# KiCad board panel_rp2354_20x20.kicad_pcb (continued)
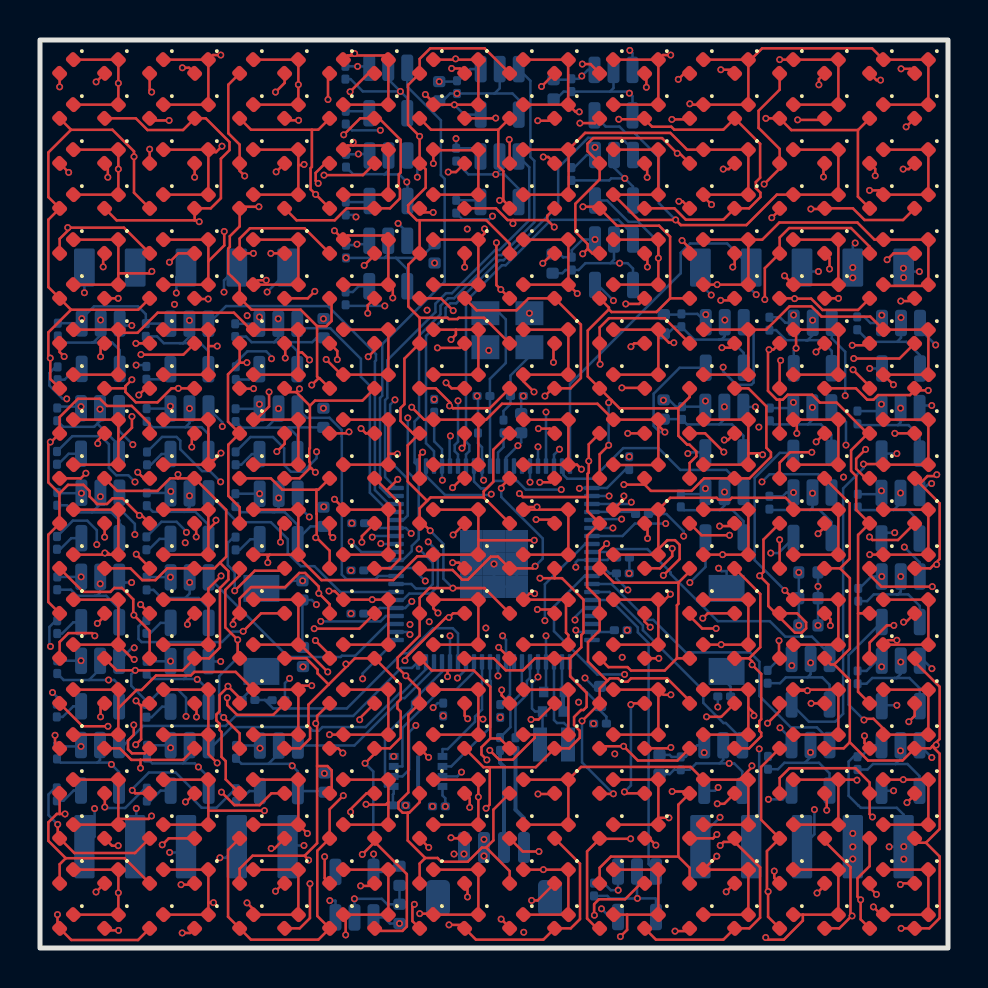
[diagram p0: board, top side]
## Routing (per net, layer and track width the routed paths; a pad name or vN(x,y) marks a point on that pad's centre or on a via; arc(x,y) is an arc through that point) (continued)
GND: length 260
  Bottom w0.127: 43.98,20.48 43.98,21.33 43.4,21.9 42.68,21.9 ; C7.2 27.67,13.08 v1(27.25,13.5) ; U42.4 30.8,2.45 30.77,2.48 v1(29.87,2.48) ; U41.4 35.11,8.83 34.71,9.23 v1(34.46,9.23) 33.98,9.23 ; 38.37,13.53 37.29,13.53 37,13.24 C54.2 ; 38.37,13.53 38.53,13.69 v1(38.53,14.26) U38.2 ; 38.37,13.53 39.11,13.53 39.48,13.16 U38.4 ; 11.42,9.21 11.94,9.73 U3.2 ; 11.42,9.21 12.51,9.21 v1(12.61,9.11) 12.89,8.83 U3.4 14.17,7.85 C66.2 ; 11.42,9.21 10.08,9.21 9.8,9.48 ; U4.2 7.48,9.57 7.14,9.23 ; U22.2 22.98,38.87 v1(22.79,38.68) ; v1(29.24,38.48) 28.56,38.48 28.46,38.38 C41.2 ; v1(29.24,38.48) 28.7,39.02 U25.2 ; v1(29.24,38.48) 29.65,38.07 U25.4 ; C29.2 10.08,26.02 11.33,26.02 ; v1(40.64,5.06) v1(40.64,4.45) 40.64,4.31 ; v1(40.64,5.06) J2.4 ; v1(40.64,5.06) J2.4 ; 6.99,30.24 6.19,30.24 5.85,30.58 C36.2 ; 6.99,30.24 7.15,30.24 ; 6.99,30.24 7.15,30.24 ; 11.93,26.91 v1(11.93,26.97) 11.93,26.91 ; 11.93,26.91 11.93,26.62 11.33,26.02 ; 7.15,30.24 7.47,30.56 U20.2 v1(7.47,31.38) ; 7.15,30.24 8.02,30.24 8.42,29.84 U20.4 ; 33.95,30.42 34.07,30.42 ; 33.95,30.42 34.07,30.42 ; 33.95,30.42 32.72,30.42 32.07,31.06 31.73,31.06 31.38,30.71 C72.2 ; 34.07,30.42 34.52,30.42 35.19,29.75 U27.4 ; 34.07,30.42 34.24,30.59 U27.2 34.24,31.4 v1(34.24,31.4) ; 23.92,37.3 23.92,37.98 23.22,38.68 v1(22.79,38.68) ; 17.23,34.51 17.8,34.51 ; 17.23,34.51 17.41,34.69 U18.2 ; 17.23,34.51 v1(15.3,34.51) ; 17.8,34.51 18.36,33.94 U18.4 ; 17.8,34.51 19.03,34.51 C60.2 ; U37.4 43.99,12.98 43.47,13.5 42.83,13.5 ; C21.2 1.04,9.27 2.87,9.27 ; 22.73,42.73 v1(20.85,42.73) 20.51,42.73 20.14,42.36 C69.2 ; 22.73,42.73 22.98,42.98 22.98,43.95 ; 22.73,42.73 23.62,42.73 23.94,42.42 U23.4 ; 28.5,42.82 C40.2 26.18,42.82 25.81,42.46 C70.2 ; 28.5,42.82 29.39,42.82 v1(29.47,42.74) 29.62,42.59 U24.4 ; 28.5,42.82 28.67,43 U24.2 ; v1(43.04,14.3) 43.04,13.71 42.83,13.5 ; v1(43.04,14.3) U37.2 v1(43.04,14.3) ; C45.2 36.67,26.18 38.39,26.18 ; 34.22,27.05 34.22,26.44 33.96,26.18 ; 34.22,27.05 v1(34.22,27.06) 34.22,27.05 ; U6.2 7.48,13.74 7.19,13.45 ; 36.47,30.89 36.81,30.89 37.31,30.39 38.3,30.39 ; 17.42,39.62 17.42,38.89 17.22,38.68 ; U29.4 39.57,25.66 39.05,26.18 38.39,26.18 ; 42.83,13.5 42.73,13.5 ; 42.83,13.5 42.73,13.5 ; C38.2 20.81,39.29 21.42,38.68 v1(22.79,38.68) ; C56.2 36.9,8.94 37.22,9.26 38.24,9.26 ; 33.96,26.18 32.35,26.18 C46.2 32.09,26.44 C71.2 ; 33.96,26.18 34.6,26.18 35.17,25.61 U30.4 ; C62.2 v1(13.15,14.06) ; Y1.4 22.28,30.04 v1(22.44,29.88) ; 12.42,30.29 13.61,30.29 13.83,30.51 C74.2 ; 12.42,30.29 12.87,29.84 12.87,28.94 ; 12.42,30.29 11.7,30.29 ; v1(43.03,9.86) 43.03,9.45 42.77,9.2 ; v1(43.03,9.86) U39.2 v1(43.03,9.86) ; v1(40.76,35.25) 40.64,35.13 v1(40.64,34.02) v1(40.64,33.51) ; 38.5,21.9 38.62,22.03 v1(38.62,22.74) U32.2 ; 38.5,21.9 38.98,21.9 39.58,21.31 U32.4 ; 38.5,21.9 36.52,21.9 C48.2 ; 3.1,22.39 3.1,22.73 ; 3.1,22.39 3.02,22.39 ; 3.1,22.39 3.1,22.32 ; C25.2 1.55,17.92 1.85,17.61 2.75,17.61 ; U2.81 U2.81 21.57,19.77 ; 38.3,30.39 38.38,30.39 ; 38.3,30.39 38.38,30.39 ; 38.38,30.39 39.05,30.39 39.59,29.85 U26.4 ; 38.38,30.39 38.64,30.65 U26.2 38.64,31.38 v1(38.63,31.39) ; 11.33,26.02 12.44,26.02 ; 12.44,26.02 12.45,26.03 C75.2 ; 12.44,26.02 12.88,25.59 12.88,24.7 ; C50.2 40.94,26.14 42.89,26.14 ; U5.2 3,9.4 2.87,9.27 ; 3.97,20.94 U12.4 ; 3.97,20.94 4.05,20.94 ; 3.97,20.94 3.97,21.38 3.57,21.78 2.6,21.78 ; 33.98,9.23 34.16,9.41 U41.2 ; 33.98,9.23 32.81,9.23 32.49,8.91 C57.2 31.7,8.91 31.48,8.7 30.98,8.7 ; 11.7,30.29 10.58,30.29 10.3,30.57 C35.2 ; 11.7,30.29 11.92,30.51 U19.2 11.92,31.46 v1(11.91,31.46) ; 40.64,5.85 v1(40.64,5.73) J2.4 ; U42.2 29.85,2.5 v1(29.87,2.48) ; U39.4 43.98,8.59 43.37,9.2 42.77,9.2 ; 2.45,13.4 v1(3.43,13.4) 3.71,13.4 3.96,13.16 U7.4 ; 2.45,13.4 1.19,13.4 C23.2 ; 2.45,13.4 3.01,13.95 U7.2 ; 7.26,17.5 7.48,17.72 v1(7.48,18.28) U8.2 ; 7.26,17.5 7.94,17.5 8.43,17.01 U8.4 ; 7.26,17.5 6.08,17.5 5.68,17.91 5.33,17.91 ; 2.6,30.27 1.22,30.27 C32.2 ; 2.6,30.27 2.66,30.27 ; 2.6,30.27 2.66,30.27 ; v1(38.9,16.13) C61.2 v1(38.9,18.08) C76.2 ; 42.68,21.9 41.04,21.9 C52.2 ; 42.68,21.9 43.03,22.25 v1(43.03,22.75) ; C64.2 13.53,21.08 U10.4 12.89,21.14 12.24,21.79 11.72,21.79 ; 7.14,9.23 5.62,9.23 C20.2 ; 7.14,9.23 7.74,9.23 v1(7.92,9.05) 8.43,8.54 U4.4 ; 42.89,26.14 43.43,26.14 43.98,25.59 U34.4 ; 42.89,26.14 43.03,26.28 v1(43.03,27) ; U11.4 8.43,21.16 7.77,21.81 7.24,21.81 ; C51.2 41.35,17.34 41.69,17.68 42.82,17.68 ; 2.66,30.27 3.61,30.27 3.98,29.89 3.98,28.95 ; 2.66,30.27 3.04,30.64 U16.2 3.04,31.4 v1(3.03,31.4) ; 3.02,22.39 v1(3.02,22.57) U12.2 ; 3.02,22.39 3.02,22.2 2.6,21.78 ; C4.2 26.1,12.92 U2.62 ; 7.19,13.45 5.58,13.45 C22.2 ; 7.19,13.45 7.84,13.45 v1(7.86,13.43) 7.89,13.43 8.43,12.89 U6.4 ; U43.2 15.73,2.45 v1(15.72,2.46) 17.09,2.46 17.37,2.19 C67.2 C68.2 ; U9.4 3.96,16.96 3.31,17.61 2.85,17.61 ; 2.75,17.61 2.85,17.61 ; 2.75,17.61 2.85,17.61 ; 2.6,21.78 1.71,21.78 1.36,22.14 C28.2 ; 38.39,26.18 38.62,26.41 v1(38.62,27.03) ; C33.2 15.66,38.69 17.21,38.69 17.22,38.68 ; v1(29.87,2.48) 29.72,2.48 29.72,2.48 28.49,2.48 28.37,2.61 C58.2 ; U11.2 v1(7.48,22.61) 7.48,22.05 7.24,21.81 ; U2.81 21.57,19.77 ; 21.57,19.77 22.7,19.77 ; SW1.1 12.24,17.98 12.62,18.36 C59.2 v1(13.13,18.36) ; U21.4 18.36,42.49 v1(18.02,42.83) ; 17.22,38.68 17.96,38.68 v1(18.34,38.3) 18.38,38.27 U17.4 ; U33.4 35.17,21.34 34.63,21.89 33.99,21.89 ; U15.2 v1(3,26.94) 3,26.35 2.87,26.22 ; U40.2 v1(38.53,9.78) 38.53,9.55 38.24,9.26 ; U15.4 3.95,25.13 2.87,26.22 ; C73.2 26.12,33.74 26.28,33.9 C44.2 26.93,33.9 27.27,34.24 28.52,34.24 ; 7.17,21.81 5.65,21.81 C27.2 ; 7.17,21.81 7.24,21.81 ; 7.17,21.81 7.24,21.81 ; U14.4 8.43,25.7 8.08,26.04 7.27,26.04 ; U28.4 29.65,33.97 29.38,34.24 v1(28.98,34.24) 28.52,34.24 ; 2.85,17.61 3.01,17.77 v1(3.01,18.21) U9.2 ; 40.88,8.92 41.38,8.92 41.65,9.2 42.77,9.2 ; C47.2 41.47,30.31 42.78,30.31 ; 33.99,21.89 32.2,21.89 C49.2 ; 33.99,21.89 34.23,22.12 v1(34.23,22.8) ; C26.2 10.05,21.79 11.72,21.79 ; U40.4 39.48,8.73 38.95,9.26 38.24,9.26 ; 2.87,9.27 3.48,9.27 v1(3.57,9.18) 3.95,8.8 U5.4 ; 2.87,26.22 2.71,26.06 1.16,26.06 C31.2 ; 7.27,26.04 5.62,26.04 C30.2 ; 7.27,26.04 7.48,26.25 v1(7.48,26.98) ; U21.2 17.41,43.44 v1(18.02,42.83) ; 42.82,17.68 42.9,17.68 ; 42.82,17.68 42.9,17.68 ; 42.9,17.68 43.41,17.68 43.99,17.1 U35.4 ; 42.9,17.68 43.04,17.82 v1(43.04,18.58) ; C37.2 15.53,43.45 16.14,42.83 v1(18.02,42.83) ; 4.05,20.94 4.05,21.17 ; 4.05,20.94 4.05,20.45 ; U2.81 U2.81 U2.81 U2.81 v1(22.7,19.2) 22.7,19.77 ; U28.2 28.7,34.42 28.52,34.24 ; C15.2 29.47,18.74 v1(29.46,18.73) ; 22.7,19.77 U2.81 ; 42.73,13.5 41.61,13.5 41.33,13.22 C53.2 ; 11.72,21.79 11.94,22.01 v1(11.94,22.5) U10.2 ; v1(21.86,27.6) 21.9,27.56 C13.2 ; v1(43.05,31.52) U31.2 43.05,30.51 42.85,30.31 43.32,30.31 44,29.63 44,28.98 ; C8.2 24.06,27.5 v1(24.17,27.6) ; R2.2 v1(33.89,12.05) ; J1.1 v1(21.2,4.7) v1(20.7,4.7)
  Bottom w0.2: 26.15,12.53 26.15,11.88
  vias: v1(15.55,18.88) v1(15.55,16.72) v1(15.59,21.24) v1(17.69,9.58) v1(19.62,7.08) v1(19.71,27.43) v1(20.16,11.61) v1(23.01,11.53) v1(24.47,31.74) v1(26.93,12.29) v1(29.36,15.89) v1(29.46,24.56)
/drivers/COL_00: length 1.4
  Bottom w0.127: U3.5 10.47,7.85 10.47,7.85 9.95,7.33 R9.1
/drivers/COL_01: length 1.4
  Bottom w0.127: U4.5 6.03,7.87 5.51,7.35 R10.1
/drivers/COL_02: length 1.4
  Bottom w0.127: U5.5 1.69,7.88 1.18,7.37 R11.1
/drivers/COL_03: length 1.4
  Bottom w0.127: R12.1 5.58,11.54 6.11,12.07 U6.5
/drivers/COL_04: length 1.4
  Bottom w0.127: R13.1 1.14,11.56 1.67,12.09 U7.5
/drivers/COL_05: length 1.4
  Bottom w0.127: R14.1 5.51,15.73 6.03,16.26 U8.5
/drivers/COL_06: length 1.4
  Bottom w0.127: U9.5 1.67,16.28 1.11,15.73 R15.1
/drivers/COL_07: length 1.6
  Bottom w0.127: 10.76,20.55 10.86,20.44 ; 10.86,20.44 10.52,20.44 9.98,19.91 9.78,19.91 ; 10.86,20.44 U10.5
/drivers/COL_08: length 1.4
  Bottom w0.127: R17.1 5.44,19.92 5.98,20.46 U11.5
/drivers/COL_09: length 1.4
  Bottom w0.127: R18.1 1.01,19.94 1.56,20.49 U12.5
/drivers/COL_10: length 1.4
  Bottom w0.127: R19.1 10.07,24.17 10.6,24.7 10.98,24.7
/drivers/COL_11: length 1.4
  Bottom w0.127: U14.5 6.08,24.7 5.54,24.16 R20.1
/drivers/COL_12: length 1.4
  Bottom w0.127: U15.5 1.43,24.71 0.91,24.19 0.85,24.19
/drivers/COL_13: length 1.4
  Bottom w0.127: U16.5 1.77,28.95 1.23,28.42 R22.1
/drivers/COL_14: length 1.2
  Bottom w0.127: R23.1 16.42,37.3 16.48,37.35
/drivers/COL_15: length 1.3
  Bottom w0.127: R24.1 15.64,32.8 15.93,33.09 U18.5
/drivers/COL_16: length 1.4
  Bottom w0.127: U19.5 10.45,28.42 9.79,28.42
/drivers/COL_17: length 1.4
  Bottom w0.127: U20.5 6.02,28.44 R26.1
/drivers/COL_18: length 1.2
  Bottom w0.127: R27.1 16.36,41.84 U21.5
/drivers/COL_19: length 1.3
  Bottom w0.127: R28.1 21.94,37.39 U22.5
/drivers/COL_MCU_00: length 8.7
  Bottom w0.127: U2.78 19.7,13.96 18.24,12.49 18.09,12.49 15.72,10.12 U3.3
/drivers/COL_MCU_01: length 13
  Bottom w0.127: U4.3 8.68,10.14 9.58,11.05 13.45,11.05 13.64,10.86 13.94,10.86 14.12,11.05 16.28,11.05 17.98,12.75 18.1,12.75 19.3,13.94 U2.79
/drivers/COL_MCU_02: length 16.7
  Bottom w0.127: U2.80 18.6,14 18.06,14 15.66,11.6 9.78,11.6 9.28,11.1 5.16,11.1 4.2,10.15 U5.3
/drivers/COL_MCU_03: length 10.7
  In1.Cu w0.127: v1(16.13,13.46) 16.11,13.44 14.24,13.44 14.17,13.5 13.13,13.5 12.3,14.33 v1(9.03,14.33)
  Bottom w0.127: v1(16.13,13.46) 16.13,13.73 U2.1 ; U6.3 8.44,14.33 v1(9.03,14.33)
/drivers/COL_MCU_04: length 15.8
  In1.Cu w0.127: v1(18.5,15.67) 17.83,15.01 v1(4.71,15.01)
  Bottom w0.127: U7.3 4.6,15.01 v1(4.71,15.01) ; v1(18.5,15.67) 18.37,15.8 U2.2
/drivers/COL_MCU_05: length 11.7
  Bottom w0.127: U8.3 12.42,14.55 15.03,14.55 15.1,14.61 15.76,14.61 17.35,16.2 U2.3
/drivers/COL_MCU_06: length 14.9
  In1.Cu w0.127: v1(14.04,16.33) 13.82,16.55 6.3,16.55 v1(4.58,18.27)
  Bottom w0.127: U9.3 4.25,18.27 v1(4.58,18.27) ; U2.4 17.3,16.6 17.03,16.33 14.04,16.33 v1(14.04,16.33)
/drivers/COL_MCU_07: length 13.9
  In1.Cu w0.127: v1(19.41,20.31) 19.52,20.31 19.9,20.68 19.9,20.99 19.29,21.61 13.52,21.61 v1(13.47,21.55)
  Bottom w0.127: U2.6 18.14,17.4 18.46,17.72 19.53,17.72 19.89,18.08 19.89,19.83 v1(19.41,20.31) ; v1(13.47,21.55) 12.89,22.13 U10.3
/drivers/COL_MCU_08: length 11.8
  Bottom w0.127: U2.7 15.01,17.8 13.72,19.09 13.04,19.09 12.39,19.74 12.39,20.45 11.54,21.29 9.87,21.29 U11.3
/drivers/COL_MCU_09: length 21.2
  In1.Cu w0.127: v1(4.74,20.67) 6.34,20.67 7.11,19.9 12.32,19.9 12.57,19.64 18.65,19.64 v1(18.96,19.95)
  Bottom w0.127: v1(4.74,20.67) 4.74,21.21 3.97,21.98 U12.3 ; v1(18.96,19.95) 19.64,19.27 19.64,18.19 19.42,17.98 18.79,17.98 18.57,18.2 U2.8
/drivers/COL_MCU_10: length 12.8
  Bottom w0.127: U2.9 16.93,18.6 16.77,18.44 15.32,18.44 15.09,18.67 15.09,25.59 15.08,25.59 15.08,25.9 14.47,26.51 13.34,26.51 U13.3
/drivers/COL_MCU_11: length 18.6
  In1.Cu w0.127: v1(9.12,26.08) 9.35,26.31 15.51,26.31 15.7,26.5 v1(18.39,26.5)
  Bottom w0.127: U14.3 9.12,26.28 v1(9.12,26.08) ; U2.11 18.14,19.4 18.59,19.85 18.59,20.1 18.94,20.45 18.94,23.26 18.39,23.81 v1(18.39,26.5)
/drivers/COL_MCU_12: length 19.4
  In1.Cu w0.127: v1(15.56,20.31) 15.4,20.15 13.55,20.15 13,20.69 11.72,20.69 11.21,20.18 7.34,20.18 v1(7.26,20.26)
  In2.Cu w0.127: v1(7.26,20.26) 5.64,21.88 5.64,24.17 v1(4.64,25.17)
  Bottom w0.127: U15.3 3.95,25.86 v1(4.64,25.17) ; U2.12 16.07,19.8 v1(15.56,20.31)
/drivers/COL_MCU_13: length 29.3
  In1.Cu w0.127: v1(4.59,31.13) 4.74,30.97 17.99,30.97 18.16,31.14 18.61,31.14 v1(19.35,31.89)
  In2.Cu w0.127: v1(17.04,20.22) 17.04,23.21 18.46,24.63 18.46,25.62 19.34,26.5 19.34,31.87 v1(19.35,31.89)
  Bottom w0.127: U2.13 17.06,20.2 v1(17.04,20.22) ; v1(4.59,31.13) 4.09,31.13 3.98,31.23
/drivers/COL_MCU_14: length 21.5
  In2.Cu w0.127: v1(18.87,38.54) 18.95,38.46 18.95,26.55 16.61,24.21 v1(16.61,20.54)
  Bottom w0.127: v1(18.87,38.54) 18.87,39.13 18.38,39.62 ; v1(16.61,20.54) 16.67,20.6 U2.14
/drivers/COL_MCU_15: length 17
  In2.Cu w0.127: v1(17.75,27.41) 18,27.66 18,36.13 v1(17.9,36.23)
  Bottom w0.127: U18.3 18.36,35.77 v1(17.9,36.23) ; U2.16 18.16,21.4 18.39,21.62 18.39,23.45 17.51,24.33 17.51,27.17 v1(17.75,27.41)
/drivers/COL_MCU_16: length 12.5
  Bottom w0.127: 12.87,31.22 13.09,30.99 14.51,30.99 16.05,29.46 16.05,28.56 16.49,28.11 16.49,22.76 17.46,21.8 U2.17
/drivers/COL_MCU_17: length 17.9
  Bottom w0.127: U20.3 9.3,32.1 14.39,32.1 16.8,29.69 16.8,29.38 16.75,29.33 16.75,22.89 17.44,22.2 U2.18
/drivers/COL_MCU_18: length 24.1
  Bottom w0.127: U21.3 18.36,43.06 20.04,41.38 20.04,38.65 20.23,38.46 20.23,33.31 17.11,30.19 17.11,27.61 17,27.5 17,23.03 17.44,22.6 U2.19
/drivers/COL_MCU_19: length 20.3
  Bottom w0.127: U2.20 17.25,23.55 17.25,27.4 17.37,27.51 17.37,29.39 19.77,31.79 19.77,32.21 20.3,32.74 20.6,32.74 22.76,34.9 22.97,34.9 24.46,36.39 24.46,39.04 23.92,39.58
/drivers/ROW_00: length 69.6
  Top w0.127: v1(36.98,44.42) D321.1 D341.1 D381.1 D361.1 ; D281.1 D301.1 D261.1 ; D161.1 20.74,44.42 ; 20.74,44.42 v1(20.78,44.46) ; 20.74,44.42 D181.1 D221.1 20.71,42.17 ; 20.71,42.17 D201.1 19.55,42.29 19.55,42.4 v1(19.27,42.68) ; 20.71,42.17 v1(20.72,42.16) ; D41.1 D61.1 v1(3.92,43.24) D21.1 D1.1 ; D121.1 D141.1 v1(12.92,43.17) D101.1 D81.1 ; D241.1 D261.1 ; D261.1 31.15,44.65 v1(31.54,44.65)
  In1.Cu w0.127: v1(3.92,43.24) 3.99,43.17 v1(12.92,43.17) 12.94,43.2 18.75,43.2 v1(19.27,42.68) ; v1(36.98,44.42) 31.77,44.42 v1(31.54,44.65) 31.38,44.49 28.05,44.49 27.74,44.8 21.12,44.8 v1(20.78,44.46)
  Bottom w0.127: U23.5 21.21,41.67 v1(20.72,42.16)
/drivers/ROW_01: length 83.2
  Top w0.127: v1(13.2,39.18) 13.17,39.14 12.92,39.14 ; 12.92,39.14 D142.1 D122.1 ; 12.92,39.14 D102.1 D82.1 ; D202.1 D222.1 D182.1 21.89,39.89 19.7,39.89 D162.1 v1(19.67,39.22) ; D2.1 D22.1 v1(3.92,38.95) D62.1 D42.1 ; D322.1 D342.1 D382.1 D362.1 36.84,37.67 35.32,36.15 32.04,36.15 v1(31.78,36.4) 29.93,36.4 D282.1 D302.1 D262.1 D242.1
  In1.Cu w0.127: v1(3.92,38.95) 4.15,39.18 v1(13.2,39.18) 13.25,39.22 v1(19.67,39.22) 19.67,39.02 20.95,37.75 32.06,37.75 32.31,37.49 32.31,36.93 v1(31.78,36.4)
  Bottom w0.127: U24.5 28.29,41.07 28.97,41.07 29.28,40.76 29.71,40.76 30.94,39.53 30.94,37.24 v1(31.78,36.4)
/drivers/ROW_02: length 76.4
  Top w0.127: D283.1 28.67,33.17 30.92,33.17 D303.1 v1(30.92,34.49) D263.1 D243.1 ; D183.1 D223.1 D203.1 ; D183.1 D163.1 ; D183.1 22.23,35.73 v1(22.23,35.96) ; D323.1 D343.1 D383.1 D363.1 v1(37.23,33.61) ; D43.1 D63.1 3.92,33.73 ; 3.92,33.73 D23.1 D3.1 ; 3.92,33.73 5.49,33.73 v1(5.59,33.83) ; v1(11.31,33.39) 10.89,33.39 D123.1 D143.1 D103.1 D83.1
  In1.Cu w0.127: 22.23,35.87 22.42,35.68 25.86,35.68 26.06,35.87 29.54,35.87 v1(30.92,34.49) 36.34,34.49 v1(37.23,33.61) ; 22.23,35.87 19.74,33.39 11.31,33.39 ; 22.23,35.87 v1(22.23,35.96) ; 11.31,33.39 v1(11.31,33.39) ; 11.31,33.39 6.04,33.39 v1(5.59,33.83)
  Bottom w0.127: v1(30.92,34.49) 30.92,35.3 29.91,36.31 29.42,36.31 28.36,37.38 U25.5
/drivers/ROW_03: length 71
  Top w0.127: 38.03,30.92 D344.1 D384.1 D364.1 ; 38.03,30.92 D324.1 ; 38.03,30.92 37.8,30.69 v1(37.8,29.99) ; 20.79,30.92 D184.1 D224.1 D204.1 ; 20.79,30.92 D164.1 ; 20.79,30.92 20.79,30.67 v1(20.55,30.42) ; D124.1 D144.1 12.92,29.78 ; 12.92,29.78 13.1,29.78 v1(13.48,29.4) ; 12.92,29.78 D104.1 D84.1 10.54,30.92 9.7,31.76 5.88,31.76 4.88,30.76 3.95,30.76 3.92,30.8 ; 3.92,30.8 D24.1 D4.1 ; 3.92,30.8 D64.1 D44.1 ; D244.1 D264.1 30.92,30.8 ; 30.92,30.8 D304.1 D284.1 ; 30.92,30.8 31.45,30.26 v1(31.69,30.26)
  In1.Cu w0.127: v1(37.8,29.99) 37.4,30.39 31.82,30.39 v1(31.69,30.26) 31.45,30.5 20.63,30.5 v1(20.55,30.42) 16.41,30.42 15.04,29.05 13.83,29.05 v1(13.48,29.4)
  Bottom w0.127: U26.5 37.69,29.87 v1(37.8,29.99)
/drivers/ROW_04: length 77.2
  Top w0.127: D265.1 D305.1 30.9,24.15 28.69,24.15 D285.1 ; D265.1 D245.1 27.88,27.21 23.1,27.21 22.31,26.42 D185.1 ; D265.1 30.92,26.12 v1(31.25,25.8) ; v1(4.6,26.57) 4.6,26.02 3.92,25.34 ; v1(18.59,27.04) 19.21,26.42 D165.1 D185.1 ; D185.1 D225.1 D205.1 ; D365.1 D385.1 D345.1 38.02,26.42 ; 3.92,25.34 D25.1 D5.1 ; 3.92,25.34 D65.1 D45.1 ; D125.1 D145.1 D105.1 D85.1 10.8,26.42 11.45,27.07 v1(11.45,27.8) ; D325.1 38.02,26.42 ; 38.02,26.42 37.84,26.24 v1(37.84,25.73)
  In1.Cu w0.127: v1(4.6,26.57) 14.33,26.57 14.56,26.8 14.56,27.04 ; v1(18.59,27.04) 14.56,27.04 ; 14.56,27.04 14.56,27.12 14.09,27.59 11.67,27.59 v1(11.45,27.8) ; v1(31.25,25.8) 35.68,25.8 35.79,25.68 37.79,25.68 v1(37.84,25.73)
  Bottom w0.127: v1(31.25,25.8) 30.99,25.8 30.68,26.1 30.68,27.71 31.98,29.01 U27.5
/drivers/ROW_05: length 83.7
  Top w0.127: 37.87,21.92 D346.1 D386.1 D366.1 ; 37.87,21.92 37.28,22.51 34.59,22.51 34.5,22.41 33.93,22.41 33.83,22.51 31.51,22.51 D266.1 ; 37.87,21.92 D326.1 ; D266.1 30.92,19.94 ; D266.1 D246.1 29.2,22.45 v1(29.2,22.6) ; 30.92,19.94 D306.1 D286.1 ; 30.92,19.94 31.37,20.39 31.75,20.39 31.98,20.16 31.98,19.45 v1(31.17,18.63) ; 11.49,19.67 12.8,19.67 ; 11.49,19.67 11.39,19.57 v1(11.39,19.27) ; 11.49,19.67 D126.1 ; 12.8,19.67 D146.1 D106.1 D86.1 ; 12.8,19.67 14.07,18.39 17.67,18.39 18.86,19.59 19.59,19.59 D206.1 D226.1 21.92,20.42 ; v1(3.24,19.75) 3.4,19.75 3.49,19.67 ; D166.1 D186.1 21.92,20.42 ; 3.49,19.67 D46.1 ; 3.49,19.67 D66.1 D26.1 D6.1 ; 21.92,20.42 21.95,20.39 v1(24.71,20.39)
  In1.Cu w0.127: v1(31.17,18.63) 30.58,18.63 30.1,19.11 27.24,19.11 25.96,20.39 v1(24.71,20.39) ; v1(11.39,19.27) 3.72,19.27 v1(3.24,19.75)
  In2.Cu w0.127: v1(29.2,22.6) 28.8,23 28.8,25.29 28.73,25.36 28.73,27.05 28.8,27.12 28.8,27.79 28.67,27.91 v1(28.67,32.37)
  Bottom w0.127: U28.5 27.89,33.15 v1(28.67,32.37)
/drivers/ROW_06: length 91.3
  Top w0.127: v1(37.24,17.88) 37.24,17.88 37.71,17.42 ; D367.1 D387.1 D347.1 37.71,17.42 ; D267.1 31.25,17.42 v1(31.52,17.69) ; D267.1 D307.1 D287.1 ; D267.1 D247.1 ; 37.71,17.42 D327.1 ; D67.1 4.66,14.43 v1(4.71,14.43) ; D67.1 D47.1 ; D67.1 D27.1 D7.1 ; v1(19.9,16.75) 19.67,16.98 D167.1 D187.1 D227.1 D207.1 ; D147.1 13.02,15.17 v1(14.39,13.8) ; D147.1 D127.1 ; D147.1 D107.1 D87.1
  In1.Cu w0.127: v1(37.24,17.88) 37.05,17.69 v1(31.52,17.69) 30.94,18.27 26.24,18.27 24.88,19.63 20.46,19.63 20.07,19.24 17.88,19.24 16.24,17.6 16.24,17.19 16.68,16.75 18.87,16.75 ; v1(4.71,14.43) 4.99,14.71 13.48,14.71 v1(14.39,13.8) 14.41,13.83 17.19,13.83 18.87,15.51 18.87,16.75 ; 18.87,16.75 v1(19.9,16.75)
  Bottom w0.127: U29.5 36.99,24.76 35.73,23.5 35.73,19.39 v1(37.24,17.88)
/drivers/ROW_07: length 83.6
  Top w0.127: v1(38.37,12.87) 37.72,12.87 D328.1 D348.1 D388.1 D368.1 ; D108.1 D88.1 9.78,13.8 7.72,13.8 7.54,13.63 5.8,13.63 5.08,12.9 4.83,12.9 3.92,11.99 ; D108.1 13.12,13.12 v1(13.59,13.12) ; D108.1 D148.1 D128.1 ; D168.1 D188.1 21.92,11.52 ; 3.92,11.99 D68.1 D48.1 ; 3.92,11.99 D28.1 D8.1 ; 21.92,11.52 22.07,11.52 v1(22.15,11.44) ; 21.92,11.52 D228.1 D208.1 ; D268.1 D308.1 D288.1 ; D268.1 31.17,12.66 v1(31.54,12.66) ; D268.1 D248.1
  In1.Cu w0.127: v1(38.37,12.87) 31.75,12.87 v1(31.54,12.66) 23.37,12.66 v1(22.15,11.44) 20.91,12.68 18.04,12.68 17.89,12.84 13.86,12.84 v1(13.59,13.12)
  In2.Cu w0.127: v1(31.54,12.66) 31.98,13.09 31.98,20.14 31.78,20.34 31.78,24.11 v1(32.39,24.72)
  Bottom w0.127: U30.5 32.45,24.78 v1(32.39,24.72)
/drivers/ROW_08: length 98.7
  Top w0.127: D149.1 D129.1 ; D149.1 D109.1 D89.1 ; D149.1 12.93,6.17 v1(13.37,5.73) ; D289.1 D309.1 30.92,6.51 ; 30.92,6.51 D269.1 D249.1 ; 30.92,6.51 v1(31.45,6.51) ; D329.1 D349.1 ; D349.1 D389.1 D369.1 ; D349.1 40.82,8.42 v1(40.85,8.39) ; D169.1 D189.1 v1(21.92,7.55) D229.1 D209.1 ; D9.1 D29.1 3.92,6.45 ; 3.92,6.45 5.43,6.45 v1(5.58,6.6) ; 3.92,6.45 D69.1 D49.1
  In1.Cu w0.127: v1(5.58,6.6) 6.84,5.34 12.8,5.34 12.83,5.31 ; 12.83,5.31 12.83,4.96 13.04,4.76 13.35,4.76 13.65,5.07 17.05,5.07 19.48,7.49 21.92,7.49 ; 12.83,5.31 13.25,5.73 v1(13.37,5.73) ; 31.45,7.12 v1(31.45,6.51) ; 31.45,7.12 22.68,7.12 22.31,7.49 21.92,7.49 ; 31.45,7.12 31.98,7.12 33.47,8.61 34.78,8.61 35,8.39 v1(40.85,8.39) ; 21.92,7.49 v1(21.92,7.55)
  In2.Cu w0.127: v1(40.85,8.39) 40.78,8.46 40.78,28.27 v1(41.49,28.98)
  Bottom w0.127: 42.1,28.98 v1(41.49,28.98)
/drivers/ROW_09: length 93.9
  Top w0.127: v1(18.99,1.72) 19.62,1.72 D210.1 D230.1 D190.1 D170.1 ; D90.1 D110.1 D150.1 10.94,1.67 ; 29.36,1.67 29.36,0.91 v1(29.02,0.57) ; 29.36,1.67 D310.1 D270.1 D250.1 ; 29.36,1.67 D290.1 ; D10.1 D30.1 v1(3.92,2.76) D70.1 D50.1 ; 38.14,1.67 D370.1 ; 38.14,1.67 38.14,1.37 37.19,0.42 36.39,0.42 v1(36.29,0.52) ; 38.14,1.67 D390.1 D350.1 D330.1 ; D130.1 10.94,1.67 ; 10.94,1.67 v1(10.35,2.26)
  In1.Cu w0.127: v1(18.99,1.72) 10.89,1.72 v1(10.35,2.26) 9.85,2.76 v1(3.92,2.76) ; v1(24.19,0.79) 24.4,0.57 v1(29.02,0.57) 29.11,0.48 36.24,0.48 v1(36.29,0.52)
  In2.Cu w0.127: v1(18.99,1.72) 19.92,0.79 v1(24.19,0.79) ; v1(36.29,0.52) 37.39,1.63 37.39,11.4 36.54,12.25 v1(36.54,19.75)
  Bottom w0.127: v1(36.54,19.75) 36.92,19.75 U32.5
/drivers/ROW_10: length 90.9
  Top w0.127: D11.1 D31.1 8.42,2.27 ; v1(41.67,2.05) 42.06,1.67 D371.1 D391.1 D351.1 D331.1 ; D291.1 D311.1 D271.1 D251.1 v1(33.84,4.59) ; 8.42,2.27 D71.1 D51.1 ; 8.42,2.27 v1(8.67,2.27) ; D171.1 v1(25.17,3.92) D191.1 D231.1 D211.1 ; v1(15.28,0.65) 15.28,1.55 D131.1 D151.1 D111.1 D91.1
  In1.Cu w0.127: v1(41.67,2.05) 41.66,2.04 36.39,2.04 v1(33.84,4.59) D251.1 v1(25.17,3.92) 25.17,2.38 23.44,0.65 v1(15.28,0.65) 10.29,0.65 v1(8.67,2.27)
  In2.Cu w0.127: v1(33.84,4.59) 32.27,6.16 32.27,18.05 v1(32.49,18.27)
  Bottom w0.127: v1(32.49,18.27) 33.28,19.05 U33.5
/drivers/ROW_11: length 97.3
  Top w0.127: 43.16,8.42 v1(43.16,8.42) ; 43.16,8.42 D332.1 ; 43.16,8.42 v1(43.16,8.42) ; v1(43.16,8.42) D352.1 D392.1 D372.1 ; D52.1 D72.1 8.42,6.87 ; D192.1 D232.1 D212.1 ; D192.1 27.05,9.05 32.53,9.05 D252.1 34.97,8.42 ; D192.1 D172.1 ; 34.97,8.42 35.6,9.04 v1(35.6,9.11) ; 34.97,8.42 D272.1 D312.1 D292.1 ; D12.1 D32.1 8.42,6.87 ; 17.42,7.3 D152.1 D132.1 ; 17.42,7.3 D112.1 D92.1 ; 17.42,7.3 17.29,7.17 16.32,7.17 v1(16.3,7.19) ; v1(11.22,6.87) 11.22,6.87 8.42,6.87
  In1.Cu w0.127: v1(16.3,7.19) 17.13,8.02 21.46,8.02 21.72,8.28 31.99,8.28 32.58,8.86 32.94,8.86 33.72,9.64 35.06,9.64 v1(35.6,9.11) 42.47,9.11 v1(43.16,8.42)
  In2.Cu w0.127: v1(43.16,8.42) 43.81,9.06 43.81,23.76 v1(42.84,24.72) ; v1(11.22,6.87) 11.54,7.19 v1(16.3,7.19)
  Bottom w0.127: U34.5 v1(42.84,24.72)
/drivers/ROW_12: length 81.2
  Top w0.127: v1(41.2,11.4) 41.26,11.46 41.68,11.46 42.17,10.97 D373.1 D393.1 D353.1 D333.1 ; D173.1 D193.1 D233.1 24.73,10.67 ; 35.42,12.02 D313.1 D293.1 ; 35.42,12.02 D273.1 D253.1 ; 35.42,12.02 35.7,11.74 v1(35.7,11.62) ; D13.1 D33.1 D73.1 ; D93.1 D113.1 D153.1 D133.1 v1(14.48,10.67) ; D73.1 D53.1 ; D73.1 8.42,9.69 v1(8.86,9.25) ; 24.73,10.67 D213.1 ; 24.73,10.67 24.73,10.51 23.64,9.42 22.96,9.42 v1(22.49,9.88)
  In1.Cu w0.127: 22.49,10.67 34.75,10.67 v1(35.7,11.62) 40.98,11.62 v1(41.2,11.4) ; 22.49,10.67 v1(14.48,10.67) ; 22.49,10.67 v1(22.49,9.88)
  In2.Cu w0.127: v1(14.48,10.67) 10.27,10.67 v1(8.86,9.25)
  Bottom w0.127: U35.5 40.43,14.64 40.43,12.17 v1(41.2,11.4)
/drivers/ROW_13: length 84.3
  Top w0.127: v1(14.45,17.85) 14.74,17.85 D94.1 ; v1(24.73,17.72) 24.47,17.72 D174.1 D194.1 26.3,17.3 26.3,15.77 26.42,15.65 D234.1 D214.1 ; D94.1 15.14,17.39 ; D94.1 v1(16.61,17.42) D114.1 D154.1 D134.1 15.14,15.2 ; D54.1 D74.1 D34.1 ; D254.1 D274.1 D314.1 v1(34.06,15.17) D294.1 ; v1(9.05,18.6) 8.42,17.97 D34.1 ; D34.1 D14.1 ; D334.1 D354.1 D394.1 D374.1 42.39,15.39 v1(42.84,15.39)
  In1.Cu w0.127: v1(14.45,17.85) 13.53,18.77 9.22,18.77 v1(9.05,18.6) ; v1(16.61,17.42) 17.95,18.76 22.11,18.76 23.15,17.72 v1(24.73,17.72) 24.92,17.54 30.01,17.54 32.38,15.17 v1(34.06,15.17) 34.22,15 39.05,15 42.29,11.77 43.02,11.77 43.45,12.19 43.45,14.79 v1(42.84,15.39)
  In2.Cu w0.127: v1(42.84,15.39) 43.54,16.09 43.54,18.59 42.74,19.39 v1(42.74,20.76)
  Bottom w0.127: v1(42.74,20.76) 42.36,20.76 42.08,20.48
/drivers/ROW_14: length 81.1
  Top w0.127: 8.42,20.92 8.8,21.3 v1(8.8,21.39) ; 8.42,20.92 D75.1 D55.1 ; 8.42,20.92 D35.1 D15.1 ; D215.1 D235.1 D195.1 D175.1 24.3,22.05 v1(24.85,22.05) ; v1(14.73,22.44) 15.17,21.99 D95.1 D115.1 D155.1 D135.1 ; D335.1 D355.1 D395.1 D375.1 42.17,19.67 v1(41.49,19.67) ; D255.1 D275.1 D315.1 v1(34.13,19.67) D295.1
  In1.Cu w0.127: v1(41.49,19.67) 41.4,19.67 41.11,19.38 ; 34.31,19.38 34.31,18.78 34.15,18.61 33.59,18.61 33.09,19.11 30.58,19.11 30.33,19.36 27.54,19.36 v1(24.85,22.05) 15.11,22.05 v1(14.73,22.44) 12.62,22.44 11.58,21.39 v1(8.8,21.39) ; 34.31,19.38 41.11,19.38 ; 34.31,19.38 34.31,19.49 v1(34.13,19.67) ; 41.11,19.38 41.11,13.87 v1(42.84,12.14)
  Bottom w0.127: v1(42.84,12.14) 42.13,12.14 U37.5
/drivers/ROW_15: length 86.7
  Top w0.127: D296.1 D316.1 35.42,24.73 ; D236.1 26.84,24.17 v1(27.07,23.94) ; D236.1 D216.1 ; D236.1 D196.1 D176.1 ; 17.42,24.71 D116.1 D96.1 ; 17.42,24.71 D156.1 D136.1 ; 17.42,24.71 17.86,24.71 v1(17.87,24.7) ; v1(9.05,24.75) 8.69,24.39 8.42,24.39 ; 35.42,24.73 D276.1 D256.1 ; 35.42,24.73 36.06,24.73 v1(36.13,24.66) ; D16.1 D36.1 8.42,24.39 ; D336.1 D356.1 D396.1 D376.1 42.14,24.2 v1(41.17,24.2) ; 8.42,24.39 D76.1 D56.1
  In1.Cu w0.127: v1(9.05,24.75) 9.36,24.44 17.87,24.44 ; v1(41.17,24.2) 36.6,24.2 v1(36.13,24.66) 34.91,24.66 34.19,23.94 v1(27.07,23.94) 26.83,24.19 18.13,24.19 17.87,24.44 ; 17.87,24.44 v1(17.87,24.7)
  Bottom w0.127: v1(41.17,24.2) 41.17,24 40.16,22.98 40.16,11.71 39.76,11.32 38.44,11.32 U38.5
/drivers/ROW_16: length 107.4
  Top w0.127: v1(14.31,29.43) 15.07,28.67 D137.1 D157.1 D117.1 D97.1 ; D257.1 D277.1 ; D277.1 D317.1 D297.1 ; D277.1 36.31,30.92 37.47,32.08 38.57,32.08 39.08,31.57 41.52,31.57 D337.1 D357.1 D397.1 D377.1 42.17,28.67 v1(42.67,28.16) ; v1(24.7,27.8) 24.17,28.34 D217.1 D237.1 D197.1 D177.1 ; D57.1 D77.1 8.42,30.09 ; D17.1 D37.1 8.42,30.09 ; v1(8.86,30.09) 8.42,30.09
  In1.Cu w0.127: 24.7,26.82 24.32,26.43 20.03,26.43 17.94,28.51 13.29,28.51 13.23,28.57 11.92,28.57 11.2,29.29 11.2,29.87 ; 24.7,26.82 25.09,26.43 25.54,26.43 27.27,28.16 28.73,28.16 28.94,28.37 29.24,28.37 29.45,28.16 v1(42.67,28.16) ; 24.7,26.82 v1(24.7,27.8) ; v1(8.86,30.09) 10.98,30.09 11.2,29.87 ; 11.2,29.87 13.87,29.87 v1(14.31,29.43)